# Altium PCB Motor.PcbDoc (part 1 of 2) (continued)
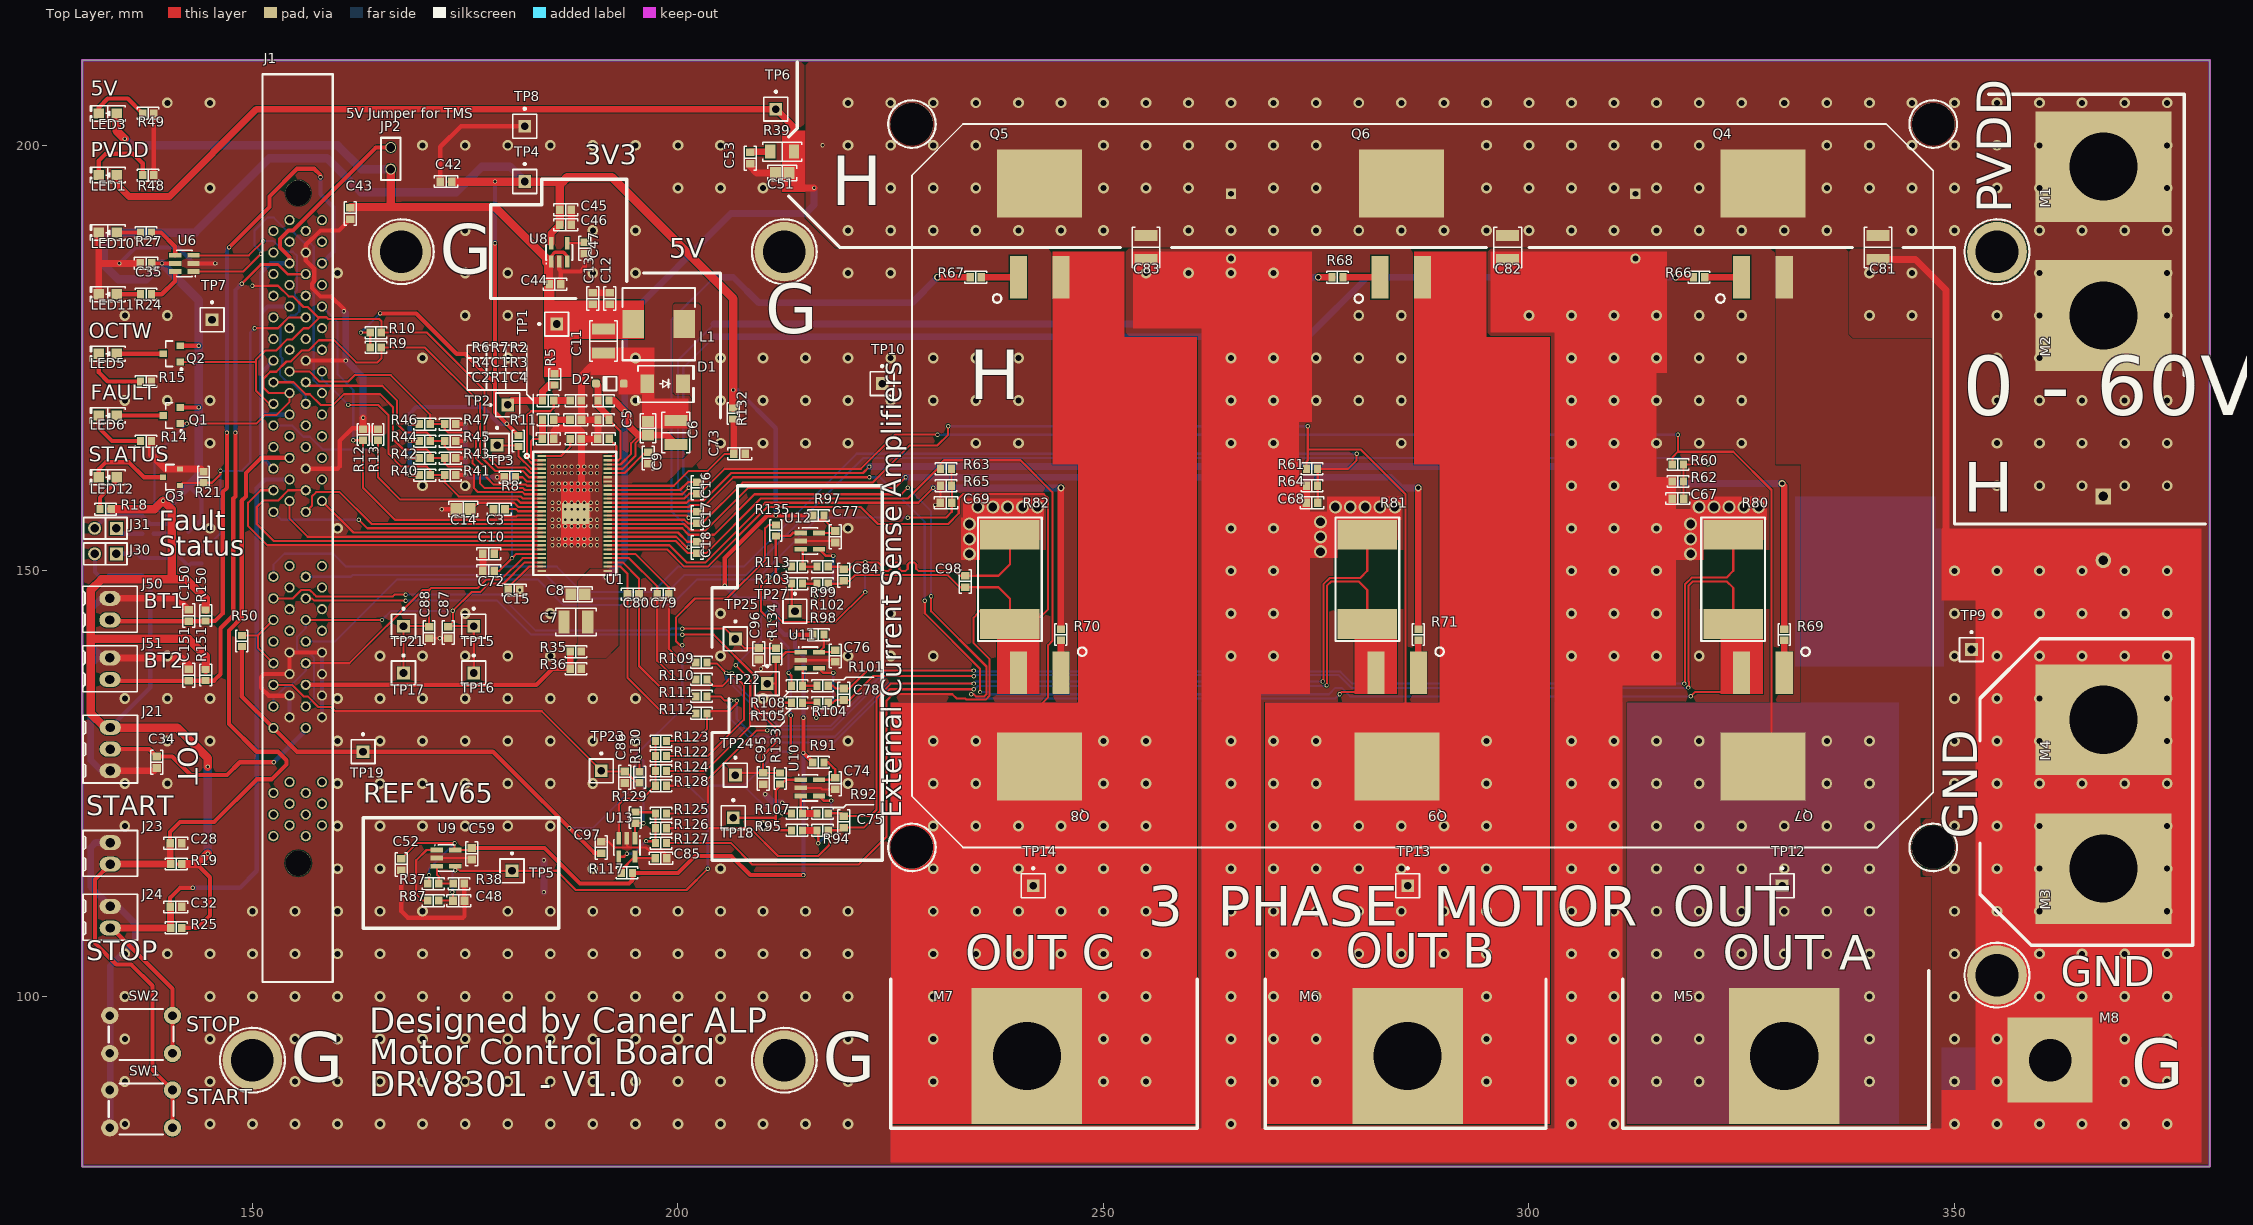
[diagram p0: Top Layer view]
## Footprints (in the part's own frame and the unit in brackets; to place one, negate y for a bottom-side part, rotate by r counter-clockwise, add the part's x,y. Pads: shape width x height; smd on the part's side, far side on the other; paste and mask are expansions set on the pad)
"9x9mm SMD Coil" [mm] "DR74 series"
  rect 2.5x3.25 smd mask+0.102: 1(-3,0) 2(3,0)
  silkscreen extent -4.25,-4.25 4.25,4.25, body extent -3.8,-3.8 3.8,3.8, height 4.35
"CAP 0603/1608" [mm] "Chip Capacitor, 2-Leads, Body 1.60x0.80mm, IPC Medium Density"
  rect 0.9x1 smd: 1(-0.675,0) 2(0.675,0)
  silkscreen extent -1.4,-0.7 1.4,0.7, body extent -0.8,-0.41 0.8,0.41, height 0.82
"CAP 0805/2012" [mm] "Chip Capacitor, 2-Leads, Body 2.00x1.20mm, IPC Medium Density"
  rect 1.3x1.4 smd: 1(-0.8,0) 2(0.8,0)
  silkscreen extent -1.7,-0.9 1.7,0.9, body extent -1,-0.64 1,0.64, height 1.26
"CAP 1210/3225 - 2.5MM" [mm] "Chip Capacitor, 2-Leads, Body 3.20x2.50mm, IPC Medium Density"
  rect 1.3x2.7 smd: 1(-1.4,0) 2(1.4,0)
  silkscreen extent -2.37,-1.63 2.37,1.63, body extent -1.6,-1.25 1.6,1.25, height 2.5
CAPPR7.5-18x35.5 [mm] "Capacitor, Electrolytic, Radial; Body 18 x 35.5 mm (Dia.xH typ); Pin Spacing 7.5 mm (typ)"
  rect 1.85x1.85 hole 1.1: 1(-3.75,0)
  round 1.85 hole 1.1: 2(3.75,0)
  silkscreen extent -9,-9 9,9
DBV005 [mm] "SOT-23/SC-74A; 5 Leads; Body 3 x 3 mm, inc. leads (LxW max)"
  rect 0.55x1.45 smd: 1(-0.95,-1.075) 2(0,-1.075) 3(0.95,-1.075) 4(0.95,1.075) 5(-0.95,1.075)
  silkscreen extent -1.57,-1.35 1.55,0.9, body extent -1.52,-1.5 1.53,1.5, height 1.3
DBV006 [mm]
  rect 0.55x1.45 smd: 1(-0.95,-1.075) 2(0,-1.075) 3(0.95,-1.075) 4(0.95,1.075) 5(0,1.075) 6(-0.95,1.075)
  silkscreen extent -1.57,-1.35 1.55,0.9, body extent -1.45,-1.4 1.45,1.4, height 1.45
DIMM100 [mm] "DIMM Connectors DIMM SKT 100P 2.54mm"
  round 3 hole 3 mask+0.102: 0(-38.1,-0.381) 0(40.64,-0.381)
  round 1.2 hole 0.8: 1(-34.925,-1.27) 2(-33.655,-3.175) 3(-32.385,-1.27) 4(-31.115,-3.175) 5(-29.845,-1.27) 6(-28.575,-3.175) 7(-22.225,-1.27) 8(-20.955,-3.175) 9(-19.685,-1.27) 10(-18.415,-3.175) 11(-17.145,-1.27) 12(-15.875,-3.175) 13(-14.605,-1.27) 14(-13.335,-3.175) 15(-12.065,-1.27) 16(-10.795,-3.175) 17(-9.525,-1.27) 18(-8.255,-3.175) 19(-6.985,-1.27) 20(-5.715,-3.175) 21(-4.445,-1.27) 22(-3.175,-3.175) 23(3.175,-1.27) 24(4.445,-3.175) 25(5.715,-1.27) 26(6.985,-3.175) 27(8.255,-1.27) 28(9.525,-3.175) 29(10.795,-1.27) 30(12.065,-3.175) 31(13.335,-1.27) 32(14.605,-3.175) 33(15.875,-1.27) 34(17.145,-3.175) 35(18.415,-1.27) 36(19.685,-3.175) 37(20.955,-1.27) 38(22.225,-3.175) 39(23.495,-1.27) 40(24.765,-3.175) 41(26.035,-1.27) 42(27.305,-3.175) 43(28.575,-1.27) 44(29.845,-3.175) 45(31.115,-1.27) 46(32.385,-3.175) 47(33.655,-1.27) 48(34.925,-3.175) 49(36.195,-1.27) 50(37.465,-3.175) 51(-34.925,2.54) 52(-33.655,0.635) 53(-32.385,2.54) 54(-31.115,0.635) 55(-29.845,2.54) 56(-28.575,0.635) 57(-22.225,2.54) 58(-20.955,0.635) 59(-19.685,2.54) 60(-18.415,0.635) 61(-17.145,2.54) 62(-15.875,0.635) 63(-14.605,2.54) 64(-13.335,0.635) 65(-12.065,2.54) 66(-10.795,0.635) 67(-9.525,2.54) 68(-8.255,0.635) 69(-6.985,2.54) 70(-5.715,0.635) 71(-4.445,2.54) 72(-3.175,0.635) 73(3.175,2.54) 74(4.445,0.635) 75(5.715,2.54) 76(6.985,0.635) 77(8.255,2.54) 78(9.525,0.635) 79(10.795,2.54) 80(12.065,0.635) 81(13.335,2.54) 82(14.605,0.635) 83(15.875,2.54) 84(17.145,0.635) 85(18.415,2.54) 86(19.685,0.635) 87(20.955,2.54) 88(22.225,0.635) 89(23.495,2.54) 90(24.765,0.635) 91(26.035,2.54) 92(27.305,0.635) 93(28.575,2.54) 94(29.845,0.635) 95(31.115,2.54) 96(32.385,0.635) 97(33.655,2.54) 98(34.925,0.635) 99(36.195,2.54) 100(37.465,0.635)
  silkscreen extent -52.07,-4.45 54.61,3.81, body extent -51.73,-4.1 54.27,3.44, height 23.76
"Header 2.54mm - duplicate" [mil] "2 Pads"
  round 50 hole 40: 1(0,0) 2(100,0)
  silkscreen extent -45,-45 150,45, body extent -47,-49 153,49, height 323
HTSSOP56 [mm] "0.5mm Pitch 14x6.1mm"
  rect 0.25x1 smd mask+0.102: 1(0,0) 2(0.5,0) 3(1,0) 4(1.5,0) 5(2,0) 6(2.5,0) 7(3,0) 8(3.5,0) 9(4,0) 10(4.5,0) 11(5,0) 12(5.5,0) 13(6,0) 14(6.5,0) 15(7,0) 16(7.5,0) 17(8,0) 18(8.5,0) 19(9,0) 20(9.5,0) 21(10,0) 22(10.5,0) 23(11,0) 24(11.5,0) 25(12,0) 26(12.5,0) 27(13,0) 28(13.5,0) 29(13.5,7.75) 30(13,7.75) 31(12.5,7.75) 32(12,7.75) 33(11.5,7.75) 34(11,7.75) 35(10.5,7.75) 36(10,7.75) 37(9.5,7.75) 38(9,7.75) 39(8.5,7.75) 40(8,7.75) 41(7.5,7.75) 42(7,7.75) 43(6.5,7.75) 44(6,7.75) 45(5.5,7.75) 46(5,7.75) 47(4.5,7.75) 48(4,7.75) 49(3.5,7.75) 50(3,7.75) 51(2.5,7.75) 52(2,7.75) 53(1.5,7.75) 54(1,7.75) 55(0.5,7.75) 56(0,7.75)
  rect 2.5x3.25 smd mask+0.102: 57(6.75,4)
  Top Layer region: 3,2.25 10.5,2.25 10.5,5.75 3,5.75
  silkscreen extent -0.5,-2 14,8.75, body extent -0.25,-0.25 13.75,7.95, height 1.1
"LED 0805/2012 YELLOW" [mm] "Chip Diode, 2-Leads, Body 2.00x1.25mm, IPC Medium Density"
  rect 1.2x1.2 smd: 1(-1.05,0) 2(1.05,0)
  silkscreen extent -2.03,-0.9 2.03,0.9, body extent -1,-0.62 1,0.63, height 0.9
"M5 Nut"#1 [mm]
  rect 13x16 hole 8: 1(0,0)
"M5 Nut"#2 [mm]
  rect 10x10 hole 5: 1(0,0)
"NXP SOT-23-3 TO-236AB" [mm] "SOT23, 3-Leads, Body 2.90x2.40mm, Pitch 0.95mm, IPC Medium Density"
  rect 0.7x0.6 smd: 1(-1,0.95) 2(1,0) 3(-1,-0.95)
  silkscreen extent -1.28,-1.5 0.7,1.95, body extent -1.16,-1.45 1.16,1.45, height 1.5
"ON SEMI SOT-23-3" [mm] "SOT23, 3-Leads, Body 2.90x2.40mm, Pitch 0.95mm, IPC Medium Density"
  rect 0.9x0.8 smd: 1(-1,0.95) 2(1,0) 3(-1,-0.95)
  silkscreen extent -1.28,-1.5 0.7,1.95, body extent -1.16,-1.45 1.16,1.45, height 1
PIN1 [mm] "Connector; Plug"
  rect 1.5x1.5 hole 0.9: 1(0,0)
  silkscreen extent -1.4,-1.4 1.4,2.17
PINHEAD_2.54mm_1x2 [mil]
  rect 60x60 hole 40: 1(0,0)
  round 60 hole 40: 2(100,0)
  silkscreen extent -50,-50 150,50, body extent -53,-53 153,53, height 340
RB7.6-15 [mm] "Polarized Capacitor (Radial); 2 Leads"
  rect 1.2x1.2 hole 0.7: 1(3.81,0)
  round 1.2 hole 0.7: 2(-3.81,0)
  silkscreen extent -7.62,-7.62 7.62,7.62
RES [mm] "WSR-5"
  rect 2.5x7 smd: 1(-5.75,3.5) 2(5.75,3.5)
  rect 1x7 smd: 3(-4,3.5) 4(4,3.5)
  silkscreen extent -7.25,-0.25 7.25,7.25, body extent -5.78,0 5.78,6.99, height 2.41
"RES 0603/1608" [mm] "Chip Resistor, 2-Leads, Body 1.60x0.80mm, IPC Medium Density"
  rect 0.85x0.95 smd: 1(-0.65,0) 2(0.65,0)
  silkscreen extent -1.27,-0.7 1.27,0.7, body extent -0.8,-0.4 0.8,0.4, height 0.45
"RES 1206/3216" [mm] "Chip Resistor, 2-Leads, Body 3.13x1.55mm, IPC Medium Density"
  rect 1.2x1.65 smd: 1(-1.4,0) 2(1.4,0)
  silkscreen extent -2.3,-1.1 2.3,1.1, body extent -1.57,-0.8 1.62,0.8, height 0.6
SOD-123 [mm] "SOD, 2-Leads, Body 2.69x1.6mm"
  rrect50% 0.91x0.95 smd: 1(-1.635,0) 2(1.635,0)
  silkscreen extent -2.1,-0.8 0.78,0.8, body extent -1.85,-0.8 1.85,0.8, height 1.27
"ST DO214AA SMB" [mm] "Molded Diode, 2-Leads, Body 4.31x3.62mm, IPC Medium Density"
  rect 1.62x2.18 smd: 1(-2.11,0) 2(2.11,0)
  silkscreen extent -3.2,-2.2 3.4,2.1, body extent -2.6,-1.8 2.6,1.8, height 2.4
"TE 282834-2" [mm]
  oval 1.75x2.5 hole 1.1: 1(-1.27,0) 2(1.27,0)
  silkscreen extent -2.7,-3.2 2.7,3.2, body extent -2.77,-3.25 2.77,3.25, height 10
"TE 282834-3" [mm]
  oval 1.75x2.5 hole 1.1: 1(-2.54,0) 2(0,0) 3(2.54,0)
  silkscreen extent -3.97,-3.2 3.97,3.2, body extent -4.04,-3.25 4.04,3.25, height 10
"Tick Tole Switch" [mil] "4 Pads"
  round 80 hole 40: 1(30,-30) 2(30,260) 3(205,-30) 4(205,260)
  silkscreen extent 0,-35 235,265, body extent -4,-42 240,270, height 323
TO263 [mm]
  rect 10x8 smd: 1(0,3)
  rect 2x5 smd: 2(-2.5,-8) 3(2.5,-8)
  silkscreen extent -5.5,-11 -4.5,-10, body extent -5.08,-9.42 5.08,5.85, height 4.98

## Part data
C1 C2 C3 C4 C9 C10 C12 C13 C15 C16 C17 C18 C28 C32 C34 C35 C42 C43 C44 C45 C46 C47 C48 C52 C53 C59 C67 C68 C69 C72 C73 C74 C75 C76 C77 C78 C79 C80 C84 C85 C86 C87 C88 C95 C96 C97 C98 C150 C151: library part CC0603KPX7R7BB104, "CAP CER 0.1UF 16V X7R 0603"
C5 C8 C14 C51: library part C0805C104K1RACTU, "CAP CER 0.1UF 100V X7R 0805"
C6 C7 C11 C81 C82 C83: library part C3225X7R2A225K230AM, "CAP CER 2.2UF 100V X7R 1210"
C50 C93 C94: library part "Cap Pol1", "Polarized Capacitor (Radial)"
D1: "TVS DIODE 36.8VWM 59.3VC SMB"
D2: library part DIO00002, "DIODE SCHOTTKY 40V 1A SOD123"
J1: library part "DIMM100 DRAM", "DIMM Connectors DIMM SKT 100P 2.54mm"
J21: "TERM BLOCK 3POS SIDE ENT 2.54MM"
J23 J24 J50 J51: "TERM BLOCK 2POS SIDE ENT 2.54MM"
J30 J31: library part J00093, "CONN HEADER 2POS .100 VERT TIN"
JP2: library part "Header 2", "Header, 2-Pin"
LED1 LED3 LED5 LED6 LED10 LED11 LED12: library part LTST-C170KFKT, "LED ORANGE CLEAR 0805 SMD"
M1 M2 M3 M4 M5 M6 M7 M8: library part "1 Conn"
Q1 Q2 Q15: "MOSFET P-CH 50V 130MA SOT-23-3"
Q3 Q16: "MOSFET N-CH 60V 300MA SOT-23"
Q4 Q5 Q6 Q7 Q8 Q9: "N-Channel MOSFET"
R1 R2 R3 R4 R5 R6 R7 R8 R9 R10 R11 R12 R13 R14 R15 R18 R19 R21 R24 R25 R27 R35 R36 R37 R38 R40 R41 R42 R43 R44 R45 R46 R47 R48 R49 R50 R60 R61 R62 R63 R64 R65 R66 R67 R68 R69 R70 R71 R87 R91 R92 R94 R95 R97 R98 R99 R101 R102 R103 R104 R105 R107 R108 R109 R110 R111 R112 R113 R117 R122 R123 R124 R125 R126 R127 R128 R129 R130 R132 R133 R134 R135 R150 R151 R155 R156 R157: library part ERJ-3GEYJ331V, "RES SMD 330 OHM 5% 1/10W 0603"
R39: library part ERJ-8GEYJ3R3V, "RES SMD 3.3 OHM 5% 1/4W 1206"
SW1 SW2: "Tactile Switch, DPST; Thru-Hole; Vertical; Rating DC 12V, 50mA (max)"
U1: library part DRV83xx
U8: "LDO"
U13: library part TLV2781DBVR

## Free pads (board coordinates)
  round 7 hole 5: 0(150,92.5) 0(167.5,187.5) 0(212.5,92.5) 0(212.5,187.5) 2(355,187.5) 3(355,102.5)
  round 5 hole 5 unplated mask+0.102: 1(227.5,202.5) 2(347.5,202.5) 3(347.5,117.5) 4(227.5,117.5)

## Via types
v1: diameter 1.27, hole 0.711, Top Layer to Bottom Layer, tented both sides, 670 vias
v2: diameter 0.5, hole 0.3, Top Layer to Bottom Layer, tented both sides, 214 vias
v3: diameter 1.524, hole 1.016, Top Layer to Bottom Layer, tented both sides, 24 vias
v4: diameter 0.8, hole 0.5, Top Layer to Bottom Layer, tented both sides, 6 vias

## Nets (pads, with @x,y where several pads share a name; then routed paths per layer and width w, separated by ;. In a path a pad name is that pad's centre, name@x,y a point inside that pad or via, vN(x,y) a via of type N, cw(c..) or ccw(c..) an arc to the next point about the centre after c; other vN are vias at no path point)
/SCS: J1.86 R46.2 R47.1 U1.8 | length 38.7
  Top Layer w0.25: J1.86@154.365,173.435 156.685,173.435 157.87,172.25 161.25,172.25 162,173 166.25,173 170.9,168.35 R46.2@170.9,167.25 R47.1@172.6,167.25 172.6,166.65 173,166.25 175.5,166.25 176.25,165.5 176.25,163.25 177.5,162 177.5,161 178.373,160.127 182.123,160.127 182.25,160 U1.8@184,160
CAN_RX: J1.44
CAN_TX: J1.94
CAP1: J1.30
CAP2: J1.80
CAP3: J1.31
DAC_PWM1: J1.29
DAC_PWM2: J1.79
DAC_PWM3: J1.28
DAC_PWM4: J1.26
DC_CAL: J1.81 R13.2 U1.12 | length 38.3
  Top Layer w0.25: v2(164.25,164.25) 164.75,164.25 ; R13.2@164.75,165.35 164.75,164.25 ; U1.12@184,158 181.5,158 181.121,158.379 177.614,158.379 177.608,158.373 167.377,158.373 164.75,161 164.75,164.25
  Bottom Layer w0.25: J1.81@152.46,167.085 154.665,167.085 156,165.75 156.75,165.75 158.25,164.25 v2(164.25,164.25)
EMU0: J1.100
EMU1: J1.50
EN_GATE: J1.42 R12.2 U1.16 | length 46.5
  Top Layer w0.25: v2(161.85,165.35) R12.2@163,165.35 163,159.75 166.75,156 U1.16@184,156
  Bottom Layer w0.25: J1.42@158.175,181.055 160.013,179.217 160.013,173.087 161.85,171.25 v2(161.85,165.35)
FAULTN: J1.84 Q1.1 Q15.1 R9.2 U1.6 | length 82.3
  Top Layer w0.25: Q1.1@141.5,167.3 v2(142.3,167.3) 150.45,167.3 151.45,168.3 152.8,168.3 154.365,169.865 J1.84@154.365,170.895 151.905,170.895 151.3,171.5 151.3,172.6 152.1,173.4 152.8,173.4 154,174.6 154.5,174.6 155.8,175.9 156.6,175.9 157.8,177.1 159.6,177.1 162.2,174.5 164.7,174.5 165.15,174.95 R9.2@165.15,176.25 170.25,176.25 176.75,169.75 176.75,163.5 178.5,161.75 181.75,161.75 182.5,161 U1.6@184,161
  Bottom Layer w0.25: v2(142.3,167.3) 138.5,163.5 138.5,157.5 139.5,156.5 142.45,156.5 Q15.1@142.5,156.45
GND: C1.2 C2.2 C4.2 C5.1 C6.1 C7.1 C8.1 C10.1 C11.1 C12.1 C13.1 C14.1 C15.1 C28.1 C32.1 C34.1 C35.1 C42.1 C43.1 C44.1 C45.1 C46.1 C47.1 C48.1 C50.2 C51.1 C52.1 C53.1 C59.1 C67.1 C68.1 C69.1 C72.1 C73.1 C74.1 C76.1 C77.1 C81.1 C82.1 C83.1 C85.1 C86.1 C87.1 C88.1 C93.2 C94.2 C95.1 C96.1 C97.1 C150.1 C151.1 D1.1 D2.2 J1.8 J1.10 J1.12 J1.14 J1.27 J1.37 J1.47 J1.58 J1.60 J1.62 J1.64 J21.1 J23.2 J24.2 J50.2 J51.2 LED10.2 LED11.2 M3.1 M4.1 M8.1 pad.0 pad.3@355,102.5 Q3.3 Q16.3 R1.2 R3.1 R7.1 R8.2 R12.1 R13.1 R14.2 R15.2 R21.2 R36.2 R38.2 R41.2 R43.2 R45.2 R47.2 R48.1 R49.1 R62.1 R64.1 R65.1 R80.2 R81.2 R82.2 R155.2 R157.1 SW1.1 SW1.3 SW2.1 SW2.3 TP7.1 TP8.1 TP9.1 TP10.1 U1.28 U1.57 U6.2 U8.2 U9.2 U10.2 U11.2 U12.2 U13.2 | length 417.5
  Top Layer w0.254: C88.1@170.75,142.075 v2(172,142.075) C87.1@173,142.075 ; U9.2@171.675,116.25 175.55,116.25 C59.1@175.75,116.05 ; C97.1@191,118.2 191.8,118.2 192.5,117.5 194.25,117.5 ; U13.2@194,118.575 194,117.75 194.25,117.5 ; C85.1@198.675,116.25 198.675,116.575 198.246,117.004 196.77,117.004 196.766,117 196.75,117 196.25,117.5 194.25,117.5 ; U10.2@214.425,124.5 216.75,124.5 216.95,124.3 C74.1@218.5,124.3 ; U11.2@214.425,139.5 218.3,139.5 C76.1@218.5,139.3 ; U12.2@214.425,153.5 218.3,153.5 C77.1@218.5,153.3 ; C69.1@230.865,158.065 R65.1@230.865,160
  Top Layer w0.5: J51.2@132.48,139.77 J51.2@133.25,139.77 ; v2@134.25,186.125 v2(134.375,186.125) ; R48.1@138.4,196.5 R49.1@138.4,203.75 ; U6.2@143.075,186.125 v2(145.625,186.125) ; J1.60@154.365,135.335 151.915,135.335 151,136.25 151,137.5 151.375,137.875 J1.62@154.365,137.875 J1.64@154.365,140.415 J1.14@158.175,140.415 ; J1.27@156.27,162.005 160.005,162.005 160.25,162.25 160.25,165.25 161.75,166.75 162.5,166.75 ; J1.37@156.27,174.705 v2(160.955,174.705) ; v2(160.75,180.5) 160.75,180.75 159.25,182.25 158,182.25 157,183.25 157,183.75 157.198,183.948 157.198,184 157.25,184.052 157.25,185.5 156.27,186.48 J1.47@156.27,187.405 156.27,188.27 158,190 160.175,190 C43.1@161.5,191.325 ; C52.1@167.5,114.825 167.5,110 168.25,109.25 174.75,109.25 174.925,109.425 C48.1@174.925,111.25 ; C42.1@172.075,195.75 172.075,199.825 174.5,202.25 TP8.1@182,202.25 ; v2(172.25,157.25) C14.1@173.95,157.25 ; R41.2@173.9,161.25 v2(174.998,161.25) ; R43.2@173.9,163.25 v2(175,163.25) ; R45.2@173.9,165.25 v2(175,165.25) ; R47.2@173.9,167.25 v2(175,167.25) ; C48.1@174.9,111.275 R38.2@174.9,113.25 ; v2(178.75,161) R8.2@179.6,161 ; U8.2@186.05,186.35 186.05,185.425 186.3,185.175 ; C44.1@186.225,183.675 186.225,185.1 186.3,185.175 ; C47.1@189.05,187.25 189.05,185.675 188.55,185.175 186.3,185.175
  Top Layer w0.8: LED11.2@131.95,182.5 LED10.2@131.95,189.75 ; 132.075,186.125 v2@134.25,186.125 ; J51.2@133.25,139.77 141.73,139.77 142.5,139 C151.1@142.5,138.425 ; J50.2@133.25,146.77 141.155,146.77 C150.1@142.5,145.425 ; J21.1@133.3,126.51 138.435,126.51 C34.1@138.75,126.825 ; v2(134.375,186.125) C35.1@136.825,186.125 ; R14.2@138.15,165.25 138.15,163.6 139.8,161.95 Q3.3@141.5,161.95 143.95,161.95 R21.2@144.25,161.65 ; v2(163,168) R12.1@163,166.65 R13.1@164.75,166.65 ; C72.1@177.075,150 C10.1@177.075,152 ; C2.2@185.425,165.5 185.425,166.425 185.723,166.723 188.277,166.723 188.65,166.35 R1.2@188.65,165.5 ; C46.1@187.475,190.675 C45.1@187.475,192.425 ; 188.65,158.6 R1.2@188.65,165.5 ; C13.1@190,182.675 C12.1@192,182.675 ; 190.25,174 189.75,174 188.65,172.9 R7.1@188.65,170 188.65,167.775 C1.2@188.675,167.75 R3.1@190.6,167.75 190.6,165.525 C4.2@190.575,165.5 R1.2@188.65,165.5 ; D2.2@193.635,172 D1.1@196.39,172 ; D1.1@196.5,171.89 C5.1@196.5,167.55 C6.1@199.65,167.55 ; C53.1@208.5,197.825 208.5,197.5 209.25,196.75 C51.1@211.45,196.75 ; C83.1@255,186.65 255,184 257.81,181.19 265,181.19 ; C82.1@297.5,186.65 300.35,186.65 305.81,181.19 307,181.19 ; C81.1@341,186.6 345.4,186.6 349,183 349,155 ; 349.25,154.25 349.75,154.25 350,154
  Bottom Layer w0.5: v2(134.375,186.125) 136.25,188 141.25,188 143.125,186.125 v2(145.625,186.125) ; R157.1@138.364,154.357 140.143,154.357 141.5,153 141.5,151.55 Q16.3@142.5,150.55 142.8,150.85 R155.2@144,150.85 ; J1.58@154.365,132.795 J1.60@154.365,135.335 ; J1.8@158.175,132.795 J1.10@158.175,135.335 J1.12@158.175,137.875 J1.14@158.175,140.415 ; v2(174.998,161.25) 175.248,161 v2(178.75,161) ; v2@175,161.25 v2(175,163.25) v2(175,165.25) v2(175,167.25)
  Bottom Layer w0.8: J51.2@133.25,139.77 J51.2@132.48,139.77 ; J50.2@133.25,146.77 132.27,146.77 131,145.5 131,141.25 J51.2@132.48,139.77 ; SW1.3@133.288,84.593 133.288,103.538 136.25,106.5 136.25,108.5 134.18,110.57 J24.2@133.3,110.57 131,112.87 131,117.5 131.57,118.07 J23.2@133.3,118.07 ; J21.1@133.3,126.51 132.24,126.51 131,127.75 131,139 131.77,139.77 J51.2@132.48,139.77 ; v2(160.75,180.5) 160.955,180.295 v2(160.955,174.705) 161.045,174.705 163,172.75 v2(163,168) ; v2(184.25,112.25) v2(184.25,116) ; v2(210.25,123.75) 211.25,122.75 v2(212.25,122.75)
  other v1: 135,85 145,85 150,85 155,85 160,85 165,85 170,85 175,85 180,85 185,85 190,85 195,85 200,85 205,85 210,85 215,85 220,85 265,85 265,85 305,85 305,85 310,85 310,85 350,85 350,85 355,85 355,85 360,85 360,85 365,85 365,85 370,85 370,85 375,85 375,85 135,90 145,90 155,90 160,90 165,90 170,90 175,90 180,90 185,90 190,90 195,90 200,90 205,90 220,90 265,90 265,90 305,90 305,90 310,90 310,90 350,90 350,90 355,90 355,90 370,90 370,90 375,90 375,90 135,95 145,95 155,95 160,95 165,95 170,95 175,95 180,95 185,95 190,95 195,95 200,95 205,95 220,95 265,95 265,95 305,95 305,95 310,95 310,95 350,95 355,95 370,95 375,95 135,100 145,100 150,100 155,100 160,100 165,100 170,100 175,100 180,100 185,100 190,100 195,100 200,100 205,100 210,100 215,100 220,100 265,100 265,100 305,100 305,100 310,100 310,100 350,100 360,100 365,100 370,100 375,100 135,105 140,105 145,105 150,105 155,105 160,105 165,105 170,105 175,105 180,105 185,105 190,105 195,105 200,105 205,105 210,105 215,105 220,105 265,105 265,105 305,105 305,105 310,105 310,105 350,105 360,105 365,105 370,105 375,105 150,110 155,110 160,110 165,110 170,110 180,110 185,110 190,110 195,110 200,110 205,110 210,110 215,110 220,110 265,110 265,110 305,110 305,110 310,110 310,110 350,110 355,110 360,110 375,110 160,115 165,115 190,115 205,115 265,115 265,115 305,115 305,115 310,115 310,115 350,115 355,115 360,115 375,115 135,120 160,120 165,120 170,120 175,120 180,120 185,120 210,120 265,120 265,120 305,120 305,120 310,120 310,120 350,120 355,120 360,120 375,120 135,125 140,125 160,125 165,125 170,125 175,125 180,125 185,125 190,125 220,125 265,125 265,125 305,125 305,125 310,125 310,125 350,125 355,125 360,125 365,125 370,125 375,125 140,130 145,130 160,130 165,130 170,130 175,130 180,130 185,130 190,130 195,130 220,130 265,130 265,130 305,130 305,130 310,130 310,130 350,130 355,130 360,130 375,130 135,135 140,135 145,135 160,135 165,135 170,135 175,135 180,135 185,135 190,135 195,135 210,135 350,135 355,135 360,135 375,135 140,140 165,140 170,140 175,140 180,140 185,140 205,140 220,140 225,140 230,140 265,140 270,140 305,140 310,140 315,140 320,140 350,140 355,140 360,140 365,140 370,140 375,140 175,145 185,145 205,145 225,145 265,145 270,145 305,145 310,145 315,145 350,145 355,145 360,145 365,145 370,145 375,145 265,150 270,150 305,150 310,150 315,150 350,150 355,150 360,150 365,150 370,150 375,150 145,155 160,155 220,155 265,155 270,155 305,155 310,155 315,155 170,160 175,160 305,160 310,160 145,165 205,165 210,165 215,165 220,165 235,165 240,165 265,165 270,165 285,165 305,165 310,165 315,165 320,165 325,165 135,170 140,170 145,170 195,170 205,170 210,170 215,170 220,170 225,170 230,170 235,170 240,170 265,170 270,170 275,170 280,170 285,170 305,170 310,170 315,170 320,170 325,170 170,175 180,175 195,175 205,175 210,175 215,175 220,175 225,175 230,175 235,175 240,175 265,175 270,175 275,175 280,175 285,175 305,175 310,175 315,175 320,175 325,175 135,180 140,180 175,180 180,180 280,180 285,180 300,180 305,180 310,180 315,180 320,180 325,180 340,180 345,180 160,185 175,185 180,185 190,185 195,185 220,185 225,185 255,185 260,185 265,185 270,185 340,185 345,185 175,190 190,190 195,190 145,195 200,195 205,195 210,195 170,200 175,200 180,200 185,200 190,200 195,200 200,200 205,200 140,205 145,205
  other v2: 209.75,138.5 211,142 181.425,147.75 185.25,153 186,153 186.75,153 187.5,153 188.25,153 189,153 189.75,153 190.5,153 185.25,153.75 186,153.75 186.75,153.75 187.5,153.75 188.25,153.75 189,153.75 189.75,153.75 190.5,153.75 185.25,155.25 186,155.25 186.75,155.25 187.5,155.25 188.25,155.25 189,155.25 189.75,155.25 190.5,155.25 185.25,156 186,156 186.75,156 187.5,156 188.25,156 189,156 189.75,156 190.5,156 185.25,157.25 186,157.25 186.75,157.25 187.5,157.25 188.25,157.25 189,157.25 189.75,157.25 190.5,157.25 230.25,157.75 185.25,158 186,158 186.75,158 187.5,158 188.25,158 189,158 189.75,158 190.5,158 185.25,159.5 186,159.5 186.75,159.5 187.5,159.5 188.25,159.5 189,159.5 189.75,159.5 190.5,159.5 185.25,160.25 186,160.25 186.75,160.25 187.5,160.25 188.25,160.25 189,160.25 189.75,160.25 190.5,160.25 185.25,161.5 186,161.5 186.75,161.5 187.5,161.5 188.25,161.5 189,161.5 189.75,161.5 190.5,161.5 185.25,162.25 186,162.25 186.75,162.25 187.5,162.25 188.25,162.25 189,162.25 189.75,162.25 190.5,162.25
  other v3: 234.25,152 319,152 275.5,152.25 234.25,153.75 319,153.75 275.5,154 234.25,155.5 319,155.5 275.5,155.75 235.25,157.5 237,157.5 238.75,157.5 240.5,157.5 242.25,157.5 277.25,157.5 279,157.5 280.75,157.5 282.5,157.5 284.25,157.5 320,157.5 321.75,157.5 323.5,157.5 325.25,157.5 327,157.5
GPIO_28: J1.43
GPIO_29: J1.93
LED_1: J1.33 U6.3 | length 34.2
  Top Layer w0.25: U6.3@143.075,187.075 149.575,187.075 v2(151.25,188.75)
  Bottom Layer w0.25: v2(151.25,188.75) 152.5,188.75 153.75,187.5 154.75,187.5 155.25,187 155.25,183 155,182.75 155,182.25 155.5,181.75 155.5,180.5 155,180 154.5,180 153.312,178.812 153.312,175.188 153.5,175 153.5,174.25 153.25,174 153.25,173 154,172.25 154.5,172.25 156.27,170.48 J1.33@156.27,169.625
LED_2: J1.34 U6.1 | length 38.4
  Top Layer w0.25: U6.1@143.075,185.175 148.925,185.175 v2(151,187.25)
  Bottom Layer w0.25: v2(151,187.25) 151,187.5 150.25,188.25 150.25,190 151.75,191.5 152.5,191.5 154.1,189.9 154.7,189.9 156,188.6 156.7,188.6 157.2,188.1 157.2,172.4 158.175,171.425 J1.34@158.175,170.895
NetC1_1: C1.1 R4.2 | length 1.9
  Top Layer w0.8: R4.2@185.4,167.75 C1.1@187.325,167.75
NetC2_1: C2.1 R4.1 U1.2 | length 7
  Top Layer w0.25: U1.2@184,163 183,163 182.75,163.25 182.75,165.25 183,165.5 C2.1@184.075,165.5
  Top Layer w0.8: R4.1@184.075,167.725 R4.1@184.1,167.75 C2.1@184.1,165.525
NetC3_1: C3.1 U1.14 | length 4.4
  Top Layer w0.25: C3.1@179.675,157.25 180.967,157.25 181.217,157 U1.14@184,157
NetC3_2: C3.2 U1.15 | length 6.4
  Top Layer w0.25: C3.2@178.325,157.25 178.325,156.675 178.623,156.377 181,156.377 181.123,156.5 U1.15@184,156.5
NetC4_1: C4.1 U1.56 | length 3.2
  Top Layer w0.25: U1.56@191.75,163.5 192.5,163.5 192.75,163.75 192.75,164.675 C4.1@191.925,165.5
NetC9_1: C9.1 U1.52 | length 5.8
  Top Layer w0.25: U1.52@191.75,161.5 193.75,161.5 196.175,163.925 C9.1@196.5,163.925
NetC9_2: C9.2 D1.2 L1.1 U1.50 U1.51
NetC10_2: C10.2 U1.23 | length 5.8
  Top Layer w0.25: 178.175,152.5 U1.23@184,152.5
NetC14_2: C14.2 U1.13 | length 9.1
  Top Layer w0.25: C14.2@175.55,157 176.546,157.996 177.765,157.996 177.771,158.002 178.879,158.002 178.885,157.996 179.115,157.996 179.121,158.002 180.748,158.002 181.25,157.5 U1.13@184,157.5
NetC15_2: C15.2 U1.27 | length 5.3
  Top Layer w0.25: C15.2@180.075,147.75 180.075,148.075 182.5,150.5 U1.27@184,150.5
NetC16_1: C16.1 M5.1 Q4.3 Q7.1 R60.1 TP12.1 U1.46 | length 177
  Top Layer w0.25: U1.46@191.75,158.5 200.75,158.5 201.325,159.075 C16.1@202.25,159.075 202.575,159.075 205.5,162 221.5,162 225.5,166 v2(230.5,166)
  Top Layer w0.254: R60.1@316.865,162.515 316.865,163.365 317.5,164 ; v2(317.5,166) 317.5,164 ; Q7.1@328.5,128 328.5,159.5 324,164 317.5,164
  Bottom Layer w0.254: v2(230.5,166) v2(317.5,166)
  other v1: 315,90 320,90 340,90 315,95 320,95 340,95 315,100 320,100 340,100 315,105 320,105 325,105 330,105 335,105 340,105 315,110 320,110 325,110 330,110 335,110 340,110 315,115 320,115 325,115 330,115 335,115 340,115 315,120 320,120 325,120 330,120 335,120 340,120 315,125 320,125 335,125 340,125 315,130 320,130 335,130 340,130
NetC16_2: C16.2 U1.48 | length 11.3
  Top Layer w0.25: U1.48@191.75,159.5 200.25,159.5 201.175,160.425 C16.2@202.25,160.425 C16.2@202.675,160.425
NetC17_1: C17.1 M6.1 Q6.3 Q9.1 R61.1 TP13.1 U1.41 | length 132.9
  Top Layer w0.25: U1.41@191.75,156 200.75,156 201.175,155.575 C17.1@202.25,155.575 202.825,155.575 207.619,160.369 222.869,160.369 227.25,164.75 230.5,164.75 231.75,166 v2(231.75,167)
  Top Layer w0.254: R61.1@273.85,162 273.85,162.85 274,163 ; v2(274,167) 274,163 ; 285,134 285.5,134.5 285.5,159 280.246,164.254 274.004,164.254 274,164.25 274,163
  Bottom Layer w0.254: v2(231.75,167) v2(274,167)
  other v1: 270,90 275,90 295,90 270,95 275,95 295,95 270,100 275,100 295,100 270,105 275,105 280,105 285,105 290,105 295,105 270,110 275,110 280,110 285,110 290,110 295,110 270,115 275,115 280,115 285,115 290,115 295,115 270,120 275,120 280,120 285,120 290,120 295,120 270,125 275,125 295,125 270,130 275,130 295,130
NetC17_2: C17.2 U1.43 | length 10.5
  Top Layer w0.25: U1.43@191.75,157 202.175,157 C17.2@202.25,156.925
NetC18_1: C18.1 M7.1 pad.4 Q5.3 Q8.1 R63.1 TP14.1 U1.36 | length 86.2
  Top Layer w0.25: U1.36@191.75,153.5 199.75,153.5 201.175,152.075 C18.1@202.25,152.075 203.325,152.075 209.75,158.5 227,158.5 R63.1@230.5,162
  Top Layer w0.254: R63.1@230.85,162 230.85,162.6 231.25,163 240.25,163 244,159.25 244,141.75 243.5,141.25 243.5,135.149 242.5,134.149 242.5,134 243.5,133
  other v1: 230,90 250,90 255,90 230,95 250,95 255,95 230,100 250,100 255,100 230,105 235,105 240,105 245,105 250,105 255,105 230,110 235,110 240,110 245,110 250,110 255,110 230,115 235,115 240,115 245,115 250,115 255,115 230,120 235,120 240,120 245,120 250,120 255,120 230,125 235,125 250,125 255,125 230,130 235,130 250,130 255,130
NetC18_2: C18.2 U1.38 | length 10.9
  Top Layer w0.25: U1.38@191.75,154.5 200,154.5 201.075,153.425 C18.2@202.25,153.425
NetC47_2: C47.2 U8.4 | length 2.1
  Top Layer w0.25: U8.4@187,188.5 188.95,188.5 C47.2@189.05,188.6
NetC53_2: C53.2 R39.1 | length 2.3
  Top Layer w0.8: C53.2@208.575,199.25 R39.1@210.85,199.25
NetC67_2: C67.2 J1.21 R60.2 R62.2 | length 179.9
  Top Layer w0.254: C67.2@318.15,158.525 R62.2@318.15,160.5 R60.2@318.15,162.5 v2(321,162.5)
  Bottom Layer w0.254: J1.21@156.27,149.305 161.555,149.305 161.75,149.5 184.5,149.5 187.25,146.75 198,146.75 200.75,149.5 208.004,149.5 221.75,163.246 320.254,163.246 v2(321,162.5)
NetC68_2: C68.2 J1.71 R61.2 R64.2 | length 147.6
  Top Layer w0.254: R61.2@275.15,162 278.75,162 279.75,163 v2(279.75,163.75) ; C68.2@275.175,158 R61.2@275.175,161.975
  Bottom Layer w0.254: J1.71@152.46,149.305 152.46,150.71 153.75,152 159.5,152 161,150.5 185.75,150.5 188.75,147.5 197,147.5 200,150.5 207.75,150.5 221,163.75 v2(279.75,163.75)
NetC69_2: C69.2 J1.15 R63.2 R65.2 | length 89.8
  Top Layer w0.254: v2(227,156.25) 231.5,156.25 232.175,156.925 C69.2@232.175,158 ; R65.2@232.135,160 232.2,159.935 C69.2@232.2,158 ; R65.2@232.15,160 R63.2@232.15,162
  Bottom Layer w0.254: J1.15@156.27,141.685 159.685,141.685 167,149 183.5,149 186.5,146 199.25,146 202.25,149 209.25,149 216.5,156.25 v2(227,156.25)
NetC74_2: C74.2 R91.2 U10.5 | length 4.3
  Top Layer w0.254: U10.5@216.575,125.45 C74.2@218.25,125.45
  Top Layer w0.3: R91.2@217.15,127.5 217.635,127.5 218.25,126.885 218.5,126.635 C74.2@218.5,125.675
NetC76_2: C76.2 R98.2 U11.5 | length 3.8
  Top Layer w0.254: 217.135,142 217.135,141.01 U11.5@216.575,140.45 218.25,140.45 C76.2@218.5,140.7
NetC77_2: C77.2 R97.2 U12.5 | length 4.1
  Top Layer w0.254: U12.5@216.575,154.45 C77.2@218.25,154.45 ; 216.635,156 217.2,156 C77.2@218.5,154.7